# Altium PCB PCB1.PcbDoc
Units mm, origin at the board's own origin, x right, y up, seen from the top; angles counter-clockwise.
Board outline 81.23 x 84.84 mm, 2 copper layers (Top Layer, Bottom Layer); 14 components, 34 nets, 98 pads, 4 vias.
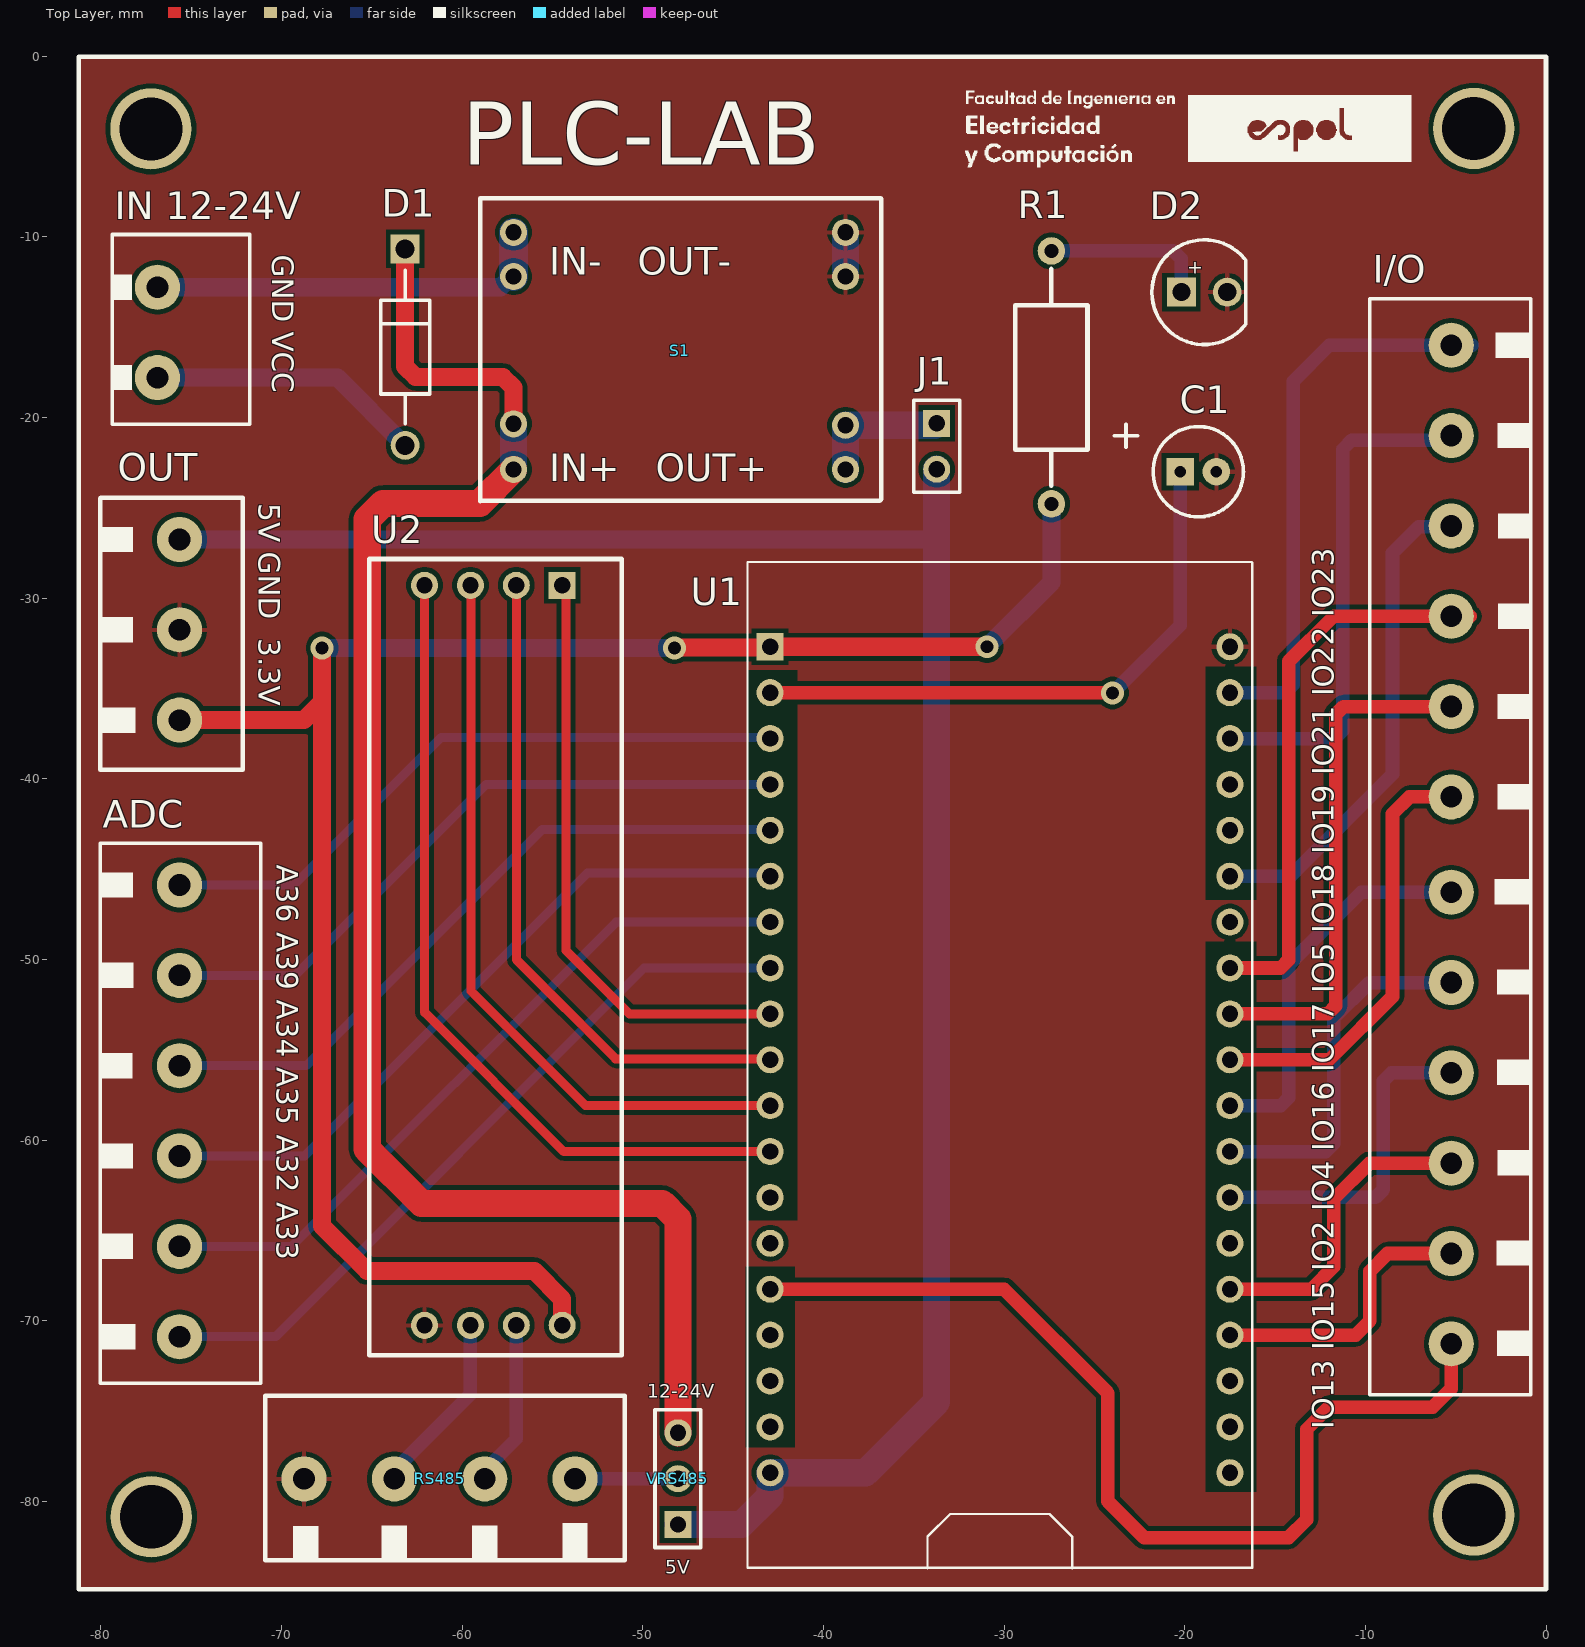
[diagram p0: Top Layer view]
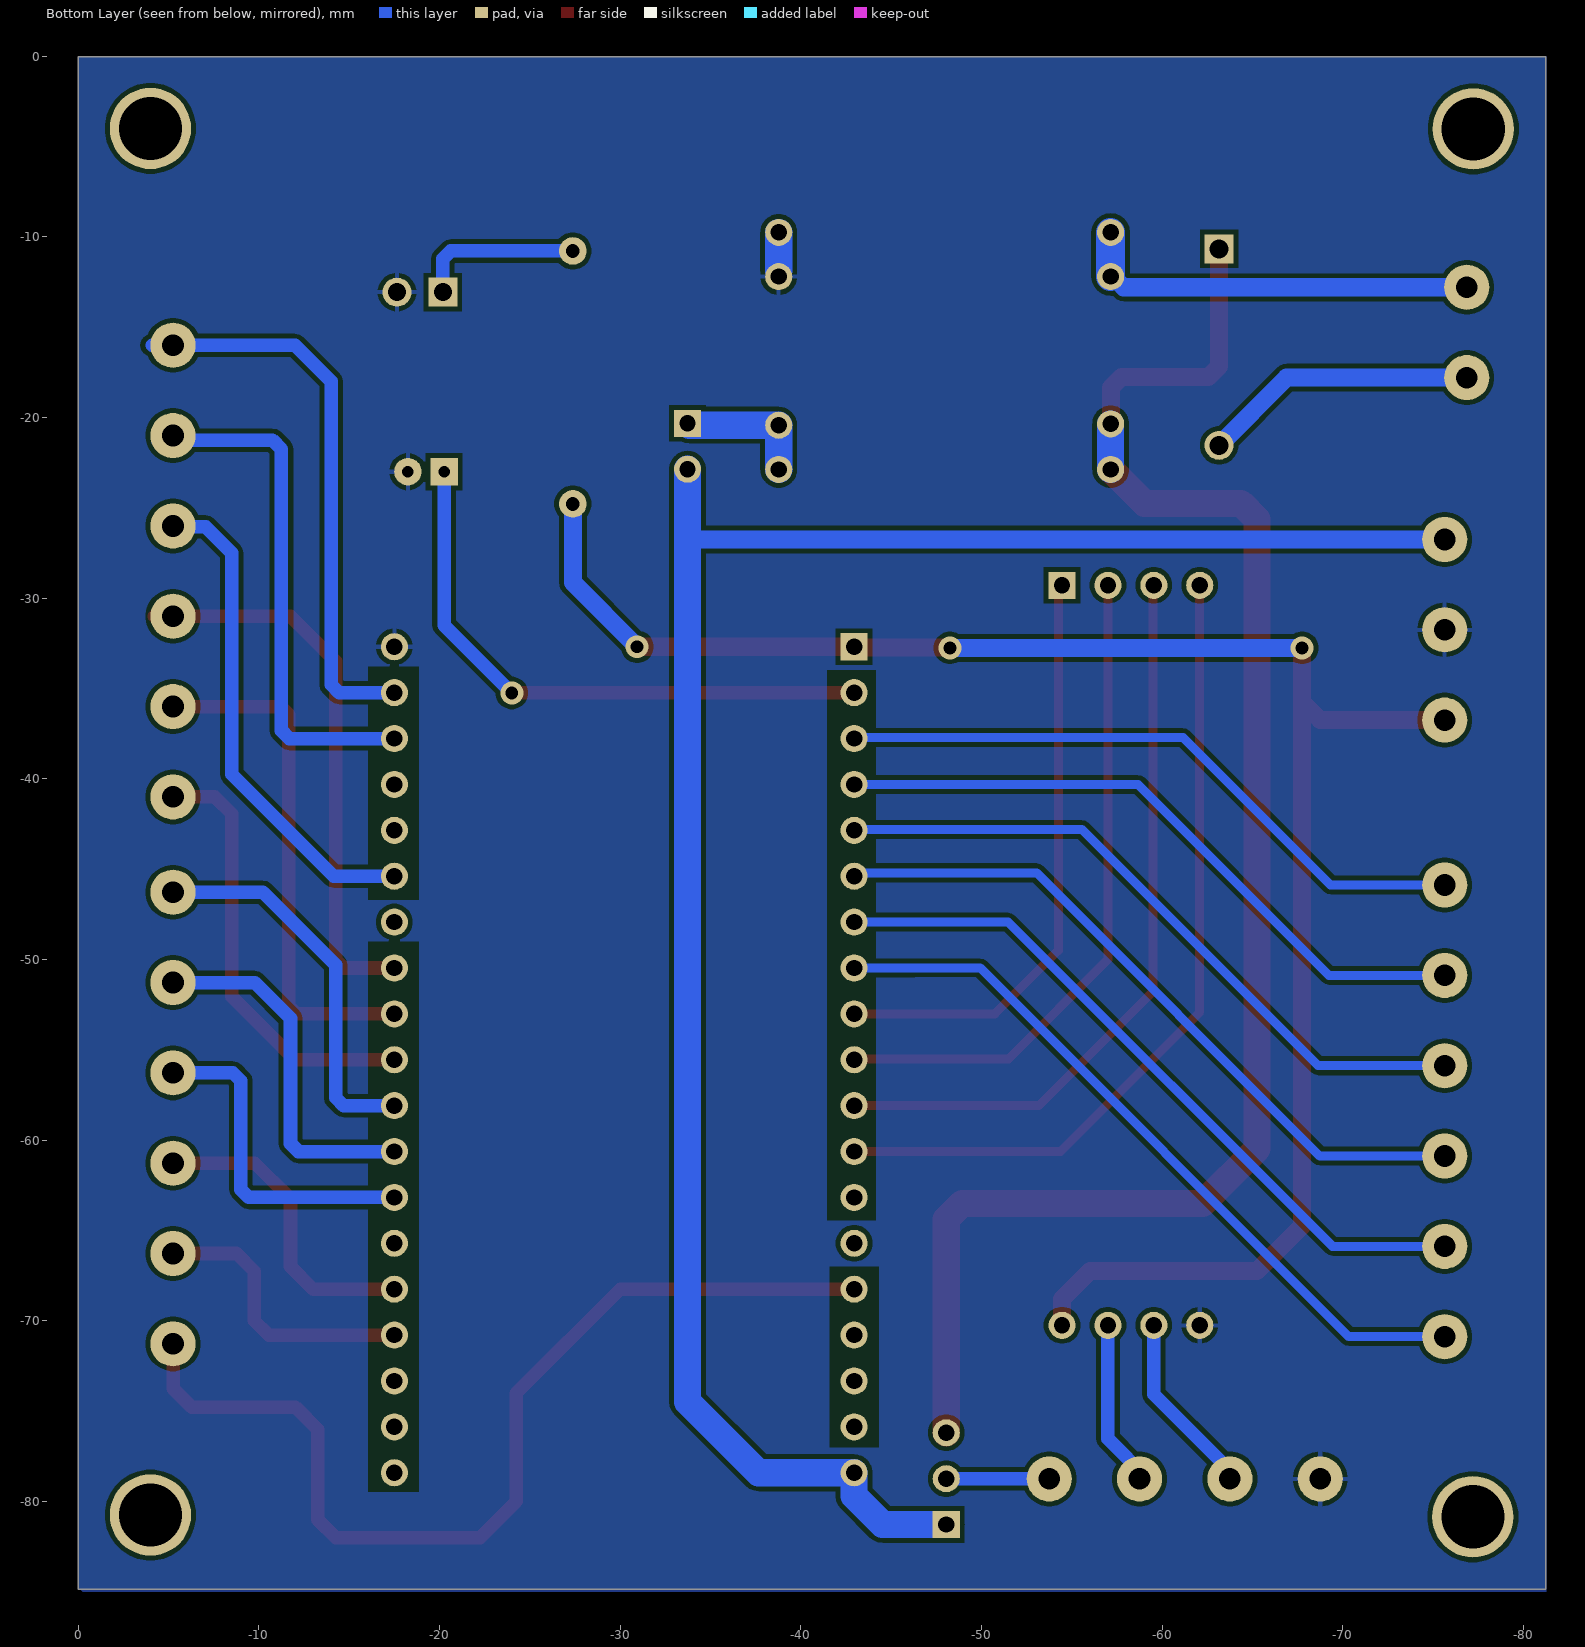
[diagram p1: Bottom Layer view, seen from below]
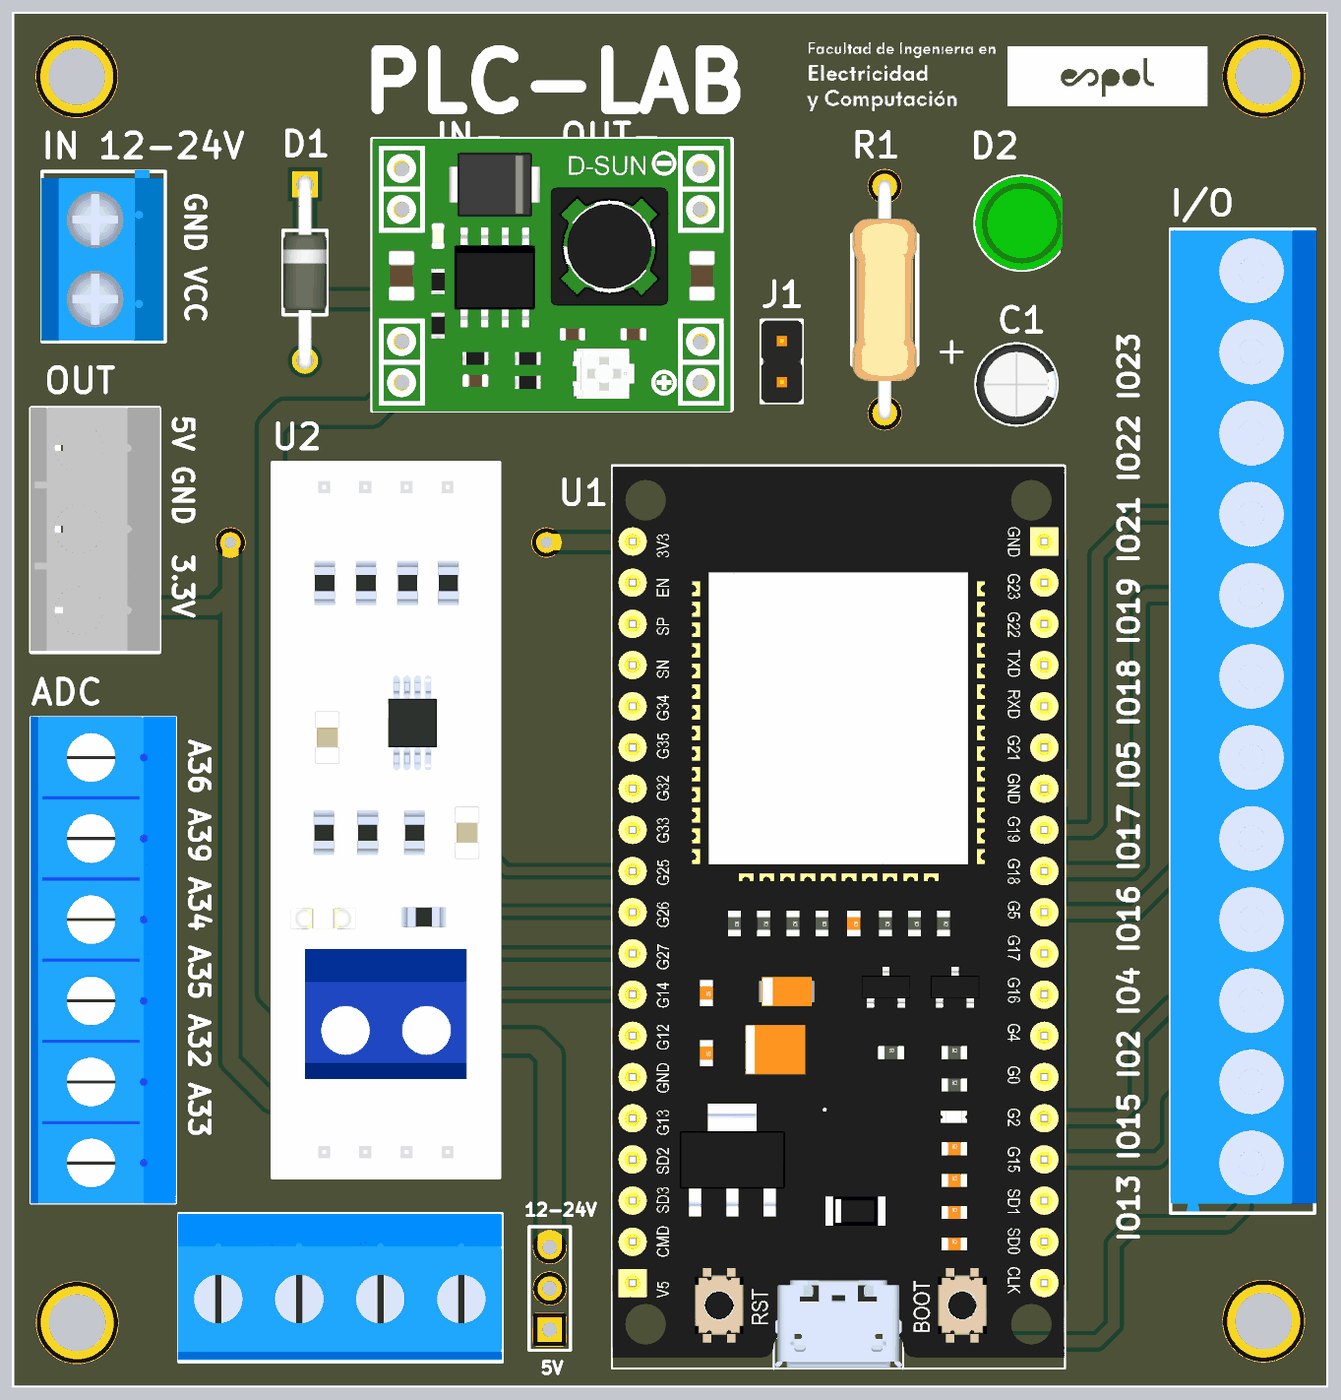
[diagram p2: 3D render of the assembled board from above, using the file's embedded part models]

## Layer stack, top to bottom
Top Solder: solder mask 0.0102, Solder Resist, Dk 3.5
Top Layer: signal copper 0.0356
Dielectric 1: dielectric 0.32, FR-4, Dk 4.8
Bottom Layer: signal copper 0.0356
Bottom Solder: solder mask 0.0102, Solder Resist, Dk 3.5

## Board outline
-81.225,-84.861 -81.225,-0.025 0,-0.025 0,-84.861

## Design rules (kind name [scope] priority, off if disabled: settings)
Clearance [All] p1: gap=0.254 ignorepadtopadclearanceinfootprint=FALSE except(0: Arc-Hole Track-Hole SMDPad-Hole THPad-Hole Via-Hole Fill-Hole Poly-Hole Region-Hole Text-Hole)
PolygonConnect [All] p1: connectstyle=Relief reliefconductorwidth=0.254 reliefentries=4 polygonreliefangle="90 Angle" airgapwidth=0.254
RoutingVias [All] p1: holewidth=0.711 width=1.27 viastyle="Through Hole" minholewidth=0.711 minwidth=1.27 maxholewidth=0.711 maxwidth=1.27
SolderMaskExpansion [All] p1: expansion=0.3 istentingtop=FALSE
Width [All] p1: maxlimit=2 minlimit=0.254 preferedwidth=0.5 minimp=50.000000 maximp=50.000000 favimp=50.000000
30 further rules are at their usual default settings.

## Classes and differential pairs
net class N000-1_[32..39]: A32 A33 A34 A35 A36 A39 N000-1_37 N000-1_38
component class source: D1 D2 "IN 12-24V" J1 OUT R1 S1
net class N000-2_[0..24]: IO2 IO4 IO5 IO13 IO15 IO16 IO17 IO18 IO19 IO21 IO22 IO23 N000-1_0 N000-1_1 N000-1_3 N000-1_6 N000-1_7 N000-1_8 N000-1_9 N000-1_10 N000-1_11 N000-1_12 N000-1_14 N000-1_20
component class borneras: ADC I/O
component class esquematico: C1 U1 U2 U# VRS485

## Components (designator, comment, footprint, x,y, rotation, side; value= is the part's Value field where it differs from the comment)
ADC "BORNERA_6" BORNERA_6 -74.715,-70.855 r90 top
C1 "10uF" FP-CAPACITOR -19.25,-23 r0 top
D1 "1N4007-E3/54" FP-1N4007-MFG -63.15,-16.1 r270 top value=15pF
D2 "LED" FP-LED -20.25,-14 r0 top
I/O "BORNERA_12" BORNERA_12 -11.25,-31.55 r270 top
"IN 12-24V" "BORNERA_2" BORNERA_2 -75.64,-15.24 r90 top
J1 "CONECTOR_2" PCBComponent_1 -33.73,-21.59 r270 top
OUT "BORNERA_3" BORNERA_3 -65.84,-20.775 r90 top
R1 "500Ω" FP-RESISTENCIA -27.38,-17.78 r90 top
RS485 "BORNERA_4" BORNERA_4 -69.725,-68.95 r180 top
S1 "D-SUN 3A STEP DOWN SWITCHING VOLTAGE" STEP_SOURCE -57.15,-12.2 r0 top
U1 "ESP32-38 pines" ESP32 -42.95,-32.69 r0 top
U2 "TTL-RS485" TTL_RS485 -54.46,-29.289 r270 top
VRS485 "Header 3" HDR1X3 -48.05,-81.28 r90 top

## Footprints (in the part's own frame and the unit in brackets; to place one, negate y for a bottom-side part, rotate by r counter-clockwise, add the part's x,y. Pads: shape width x height; smd on the part's side, far side on the other; paste and mask are expansions set on the pad)
BORNERA_2 [mm]
  round 2.5 hole 1.2: 1(-2.55,1.225) 2(2.45,1.225)
  silkscreen extent -5.13,-3.87 5.37,3.73, body extent -5.05,-3.79 5.45,3.81, height 10
BORNERA_3 [mm]
  round 2.5 hole 1.2: 1(-15.975,9.8) 2(-10.975,9.8) 3(-5.975,9.8)
  silkscreen extent -18.72,6.3 -3.67,14.23, body extent -18.65,6.25 -3.65,14.25, height 10
BORNERA_4 [mm]
  round 2.5 hole 1.2: 1(-15.975,9.8) 2(-10.975,9.8) 3(-5.975,9.8) 4(-0.975,9.8)
  silkscreen extent -18.72,5.2 1.17,14.3, body extent -18.72,5.2 1.28,14.2, height 12
BORNERA_6 [mm]
  round 2.5 hole 1.2: 1(-0.025,0.925) 2(4.975,0.925) 3(9.975,0.925) 4(14.975,0.925) 5(19.975,0.925) 6(24.975,0.925)
  silkscreen extent -2.6,-3.57 27.3,5.35, body extent -2.65,-3.63 27.35,5.38, height 12
BORNERA_12 [mm]
  round 2.5 hole 1.2: 1(-15.55,6) 2(-10.55,6) 3(-5.55,6) 4(-0.55,6) 5(4.45,6) 6(9.45,6) 7(14.725,6) 8(19.725,6) 9(24.725,6) 10(29.725,6) 11(34.725,6) 12(39.725,6)
  silkscreen extent -18.13,1.5 42.55,10.43, body extent -18.05,1.5 42.45,10.5, height 12
ESP32 [mm]
  rect 1.5x1.5 hole 0.9: 1(0,0)
  round 1.5 hole 0.9: 2(0,-2.54) 3(0,-5.08) 4(0,-7.62) 5(0,-10.16) 6(0,-12.7) 7(0,-15.24) 8(0,-17.78) 9(0,-20.32) 10(0,-22.86) 11(0,-25.4) 12(0,-27.94) 13(0,-30.48) 14(0,-33.02) 15(0,-35.56) 16(0,-38.1) 17(0,-40.64) 18(0,-43.18) 19(0,-45.72) 20(25.45,-45.72) 21(25.45,-43.18) 22(25.45,-40.64) 23(25.45,-38.1) 24(25.45,-35.56) 25(25.45,-33.02) 26(25.45,-30.48) 27(25.45,-27.94) 28(25.45,-25.4) 29(25.45,-22.86) 30(25.45,-20.32) 31(25.45,-17.78) 32(25.45,-15.24) 33(25.45,-12.7) 34(25.45,-10.16) 35(25.45,-7.62) 36(25.45,-5.08) 37(25.45,-2.54) 38(25.45,0)
  silkscreen extent -1.25,-51.01 26.69,4.69, body extent -1.25,-50.98 26.69,4.6, height 8.6
FP-1N4007-MFG [mm]
  rect 1.6x1.6 hole 1.05 paste-1000 mask+0: 1(-5.438,0)
  round 1.6 hole 1.05 paste-1000 mask+0: 2(5.438,0)
  silkscreen extent -4.24,-1.35 4.24,1.35, body extent -6.34,-1.45 6.34,1.45, height 0.25
FP-CAPACITOR [mil]
  rect 60x60 hole 25: 1(-39.37,0)
  round 60 hole 25: 2(39.37,0)
  silkscreen extent -182,-98 98,104, body extent -98,-98 98,98, height 276
FP-LED [mm]
  rect 1.6x1.6 hole 1: 1(0.064,0.937)
  round 1.6 hole 1: 2(2.604,0.937)
  silkscreen extent -1.57,-1.96 3.62,3.84, body extent -1.57,-1.96 3.83,3.84, height 8.72
FP-RESISTENCIA [mil]
  round 60 hole 30: 1(-275.59,0) 2(275.59,0)
  silkscreen extent -236,-79 236,79, body extent -291,-79 291,79, height 183
HDR1X3 [mm] "Connector; Header; 3 Position"
  rect 1.5x1.5 hole 0.9: 1(0,0)
  round 1.5 hole 0.9: 2(2.54,0) 3(5.08,0)
  silkscreen extent -1.27,-1.27 6.35,1.27
PCBComponent_1 [mm]
  rect 1.5x1.5 hole 0.9: 1(-1.27,0)
  round 1.5 hole 0.9: 2(1.27,0)
  silkscreen extent -2.54,-1.27 2.54,1.27, body extent -2.54,-1.27 2.54,1.27, height 8.89
STEP_SOURCE [mm]
  round 1.5 hole 0.9: 1(0,-10.675) 1(0,-8.15) 2(0,0) 2(0,2.45) 3(18.375,-10.675) 3(18.375,-8.225) 4(18.375,0) 4(18.375,2.45)
  Bottom Layer lines w1.5: 0,-10.675 0,-8.15 ; 18.375,-10.675 18.375,-8.225 ; 18.375,0.35 18.375,2.45
  Bottom Layer lines w1.6: 0,0 0,2.45
  silkscreen extent -1.85,-12.42 20.35,4.33, body extent -1.84,-12.47 20.26,4.33, height 4.19
TTL_RS485 [mm]
  rect 1.5x1.5 hole 0.9: 1(0,0)
  round 1.5 hole 0.9: 2(0,-2.54) 3(0,-5.08) 4(0,-7.62) 5(40.961,0) 6(40.961,-2.54) 7(40.961,-5.08) 8(40.961,-7.62)
  silkscreen extent -1.46,-10.68 42.61,3.29, body extent -1.46,-10.69 42.54,3.31, height 13.79

## Part data
C1: library part "Electrolytic capacitor"
D1: library part CMP-02540-000046-1, "DIODE GEN PURP 1KV 1A DO204AL", Capacitance=15pF, Forward Current=1A, Manufacturer=Vishay, Max Junction Temp=+150°C, Max Repetitive Reverse Voltage=1000V, Max Surge Forward Current=30A, Package=1N4007, Peak Reverse Current=30uA, Temperature="-50°C to +150°C", Temperature Range Low=-50°C, Automotive=No, Category=Diode, ComponentLink2Description=Datasheet, ComponentLink2URL=http://www.vishay.com/docs/88503/1n4001.pdf, Device Class L1="Discrete Semiconductors", Device Class L2=Diodes, Device Class L3="Rectifier Diodes", Digikey Description="DIODE GEN PURP 1KV 1A DO204AL", Height=2.7mm, Ipc Land Pattern Name=DIOPA1088W105L520D270, Lead Free=Yes, Manufacturer Part Number=1N4007-E3/54, Mouser Description="Rectifiers Vr/1000V Io/1A", Octopart=https://octopart.com/1n4007-e3%2F54-vishay-39548207, RoHS=TRUE, Temperature Range High=+150°C
R1: library part Resistencia
VRS485: "Header, 3-Pin", LatestRevisionDate=17-Jul-2002, LatestRevisionNote="Re-released for DXP Platform.", Publisher="Altium Limited"

## Free pads (board coordinates)
  round 4.5 hole 3.5: ""(-77.225,-4.025) ""(-77.2,-80.85) ""(-4,-80.75) ""(-4,-4)

## Via types
v1: diameter 1.27, hole 0.711, Top Layer to Bottom Layer, 4 vias

## Nets (pads, with @x,y where several pads share a name; then routed paths per layer and width w, separated by ;. In a path a pad name is that pad's centre, name@x,y a point inside that pad or via, vN(x,y) a via of type N, cw(c..) or ccw(c..) an arc to the next point about the centre after c; other vN are vias at no path point)
+3.3V: OUT.1 R1.1 U1.1 U2.5 | length 103.3
  Top Layer w1: OUT.1 -68.75,-36.75 -67.75,-35.75 ; v1(-67.75,-32.75) -67.75,-35.75 ; U2.5 -54.46,-68.79 -56,-67.25 -65.25,-67.25 -67.75,-64.75 -67.75,-35.75 ; v1(-48.25,-32.75) -48.22,-32.72 -43.2,-32.72 -43.17,-32.69 v1(-30.94,-32.69)
  Bottom Layer w1: OUT.1 OUT.1@-75.39,-37 ; v1(-67.75,-32.75) v1(-48.25,-32.75) ; v1(-30.94,-32.69) -27.38,-29.13 R1.1
A: RS485.3 U2.7 | length 10.4
  Bottom Layer w0.75: RS485.3@-64.21,-78.74 -59.54,-74.07 U2.7
A32: ADC.2 U1.7 | length 40.1
  Bottom Layer w0.5: ADC.2 -69.43,-65.88 -51.48,-47.93 U1.7
A33: ADC.1 U1.8 | length 41.1
  Bottom Layer w0.5: ADC.1 -70.33,-70.88 -49.92,-50.47 -46.3,-50.47 U1.8
A34: ADC.4 U1.5 | length 38.1
  Bottom Layer w0.5: ADC.4 -68.63,-55.88 -55.55,-42.8 -43,-42.8 U1.5
A35: ADC.3 U1.6 | length 39.3
  Bottom Layer w0.5: ADC.3 -68.73,-60.88 -53.05,-45.2 -43.14,-45.2 U1.6
A36: ADC.6 U1.3 | length 36.1
  Bottom Layer w0.5: ADC.6 -69.33,-45.88 -61.15,-37.7 -43.02,-37.7 U1.3
A39: ADC.5 U1.4 | length 37.1
  Bottom Layer w0.5: ADC.5 -69.23,-50.88 -58.66,-40.31 U1.4
B: RS485.2 U2.6 | length 9.4
  Bottom Layer w0.75: RS485.2@-59.21,-78.74 -57,-76.53 U2.6
DE: U1.11 U2.3 | length 41.7
  Top Layer w0.5: U2.3@-59.5,-29.231 -59.5,-51.75 -53.16,-58.09 U1.11
DI: U1.12 U2.4 | length 46
  Top Layer w0.5: U2.4 -62.08,-52.92 -54.37,-60.63 U1.12
EN: C1.1 U1.2 | length 32.8
  Top Layer w0.75: U1.2 -42.94,-35.24 -24.01,-35.24 v1(-24,-35.25)
  Bottom Layer w0.75: v1(-24,-35.25) -20.25,-31.5 C1.1
GND: C1.2 D2.2 OUT.2 RS485.4 S1.4 U1.38 U2.8
IO2: I/O.10 U1.24 | length 17.6
  Top Layer w0.75: U1.24 -13,-68.25 -11.75,-67 -11.75,-63.25 -9.775,-61.275 I/O.10
  Bottom Layer w0.75: I/O.10@-5.25,-61.5 I/O.10
IO4: I/O.9 U1.26 | length 18.8
  Bottom Layer w0.75: U1.26 -9.439,-63.17 -9,-62.731 -9,-56.714 -8.561,-56.275 I/O.9@-5.043,-56.275
IO5: I/O.6 U1.29 | length 24.4
  Top Layer w0.75: U1.29 -12,-55.55 -8.5,-52.05 -8.5,-41.939 -7.561,-41 I/O.6 ; I/O.6@-4.94,-41.335 I/O.6@-4.775,-41.5
IO13: I/O.12 U1.15 | length 55.7
  Top Layer w0.75: U1.15 -30,-68.25 -24.25,-74 -24.25,-80 -22.25,-82 -14.25,-82 -13.25,-81 -13.25,-76 -12.025,-74.775 -6.275,-74.775 -5.25,-73.75 I/O.12
IO15: I/O.11 U1.23 | length 15.7
  Top Layer w0.75: U1.23 -10.54,-70.79 -9.75,-70 -9.75,-67.25 -8.775,-66.275 I/O.11
IO16: I/O.8 U1.27 | length 20.9
  Bottom Layer w0.75: U1.27 -12.189,-60.63 -11.75,-60.191 -11.75,-53.25 -9.775,-51.275 I/O.8@-4.506,-51.275
IO17: I/O.7 U1.28 | length 21.4
  Bottom Layer w0.75: U1.28 -14.689,-58.09 -14.25,-57.651 -14.25,-50.3 -10.225,-46.275 I/O.7
IO18: I/O.5 U1.30 | length 28.7
  Top Layer w0.75: U1.30 -12.089,-53.01 -11.65,-52.571 -11.65,-36.439 -11.211,-36 I/O.5
IO19: I/O.4 U1.31 | length 31
  Top Layer w0.75: U1.31 -14.689,-50.47 -14.25,-50.031 -14.25,-33.5 -11.75,-31 I/O.4 I/O.4@-4.207,-31
IO21: I/O.3 U1.33 | length 27.5
  Bottom Layer w0.75: U1.33 -14.14,-45.39 -8.5,-39.75 -8.5,-27.5 -7.054,-26.054 -5.304,-26.054 I/O.3
IO22: I/O.2 U1.36 | length 29.1
  Bottom Layer w0.75: U1.36 -11.689,-37.77 -11.25,-37.331 -11.25,-21.75 -10.75,-21.25 I/O.2@-4.404,-21.25
IO23: I/O.1 U1.37 | length 31.2
  Bottom Layer w0.75: U1.37 -14.439,-35.23 -14,-34.791 -14,-18 -12,-16 I/O.1 I/O.1@-4.088,-16
NetD1_1: D1.1 S1.1 VRS485.3 | length 89.7
  Top Layer w1: D1.1 -63.15,-17.164 -62.564,-17.75 -57.75,-17.75 -57.164,-18.336 -57.164,-20.336 S1.1@-57.15,-20.35
  Top Layer w1.5: S1.1@-57.15,-22.875 -59.025,-24.75 -64.371,-24.75 -65.25,-25.629 -65.25,-60.5 -62.25,-63.5 -48.929,-63.5 -48.05,-64.379 VRS485.3
NetD1_2: "IN 12-24V.1" D1.2 | length 15.3
  Bottom Layer w1: -76.865,-17.79 -66.898,-17.79 D1.2
NetD2_1: D2.1 R1.2 | length 9.2
  Bottom Layer w0.75: R1.2 -20.625,-10.78 -20.186,-11.219 D2.1
"NetIN 12-24V_2": "IN 12-24V.2" S1.2 | length 20
  Bottom Layer w1: -76.865,-12.79 -57.875,-12.79 -57.285,-12.2 S1.2@-57.15,-12.2
NetJ1_1: J1.1 S1.3 | length 5.1
  Bottom Layer w1.5: S1.3@-38.775,-20.425 -33.835,-20.425 J1.1
RE: U1.10 U2.2 | length 37.2
  Top Layer w0.5: U2.2@-57,-29.122 -57,-50 -51.5,-55.5 -43,-55.5 U1.10
RO: U1.9 U2.1 | length 33.1
  Top Layer w0.5: U2.1@-54.25,-29.202 -54.25,-49.5 -50.74,-53.01 U1.9
VCC: J1.2 OUT.3 U1.19 VRS485.1 | length 111.5
  Bottom Layer w1: OUT.3 -33.98,-26.75 -33.73,-26.5
  Bottom Layer w1.5: VRS485.1 -44.53,-81.28 -42.95,-79.7 U1.19 -37.66,-78.41 -33.73,-74.48 -33.73,-26.5 J1.2
VCC_RS485: RS485.1 VRS485.2 | length 6.2
  Bottom Layer w0.75: RS485.1@-54.21,-78.74 VRS485.2
pads on no net: U1.13 U1.14 U1.16 U1.17 U1.18 U1.20 U1.21 U1.22 U1.25 U1.32 U1.34 U1.35

## Polygon pours and split planes (outlines as drawn)
GND on Top Layer "NONET_L01_P-001" (solid, pour order 0): -81.25,0 0,0 0,-84.75 -81.25,-84.75
GND on Bottom Layer "NONET_L01_P-001" (solid, pour order 1): -81.25,0 0,0 0,-84.75 -0.25,-85 -81.25,-85

## Other copper
Top Layer:
  pour cut-out: -18.842,-49.018 -18.842,-79.468 -16.042,-79.468 -16.042,-49.018
  pour cut-out: -18.849,-33.793 -18.849,-46.693 -16.049,-46.693 -16.049,-33.793
  pour cut-out: -44.3,-67 -41.6,-67 -41.6,-77 -44.3,-77
  pour cut-out: -44.15,-34 -41.45,-34 -41.45,-64.425 -44.15,-64.425
Bottom Layer:
  pour cut-out: -44.15,-34 -41.45,-34 -41.45,-64.425 -44.15,-64.425
  pour cut-out: -44.3,-67 -41.6,-67 -41.6,-77 -44.3,-77
  pour cut-out: -18.849,-33.793 -18.849,-46.693 -16.049,-46.693 -16.049,-33.793
  pour cut-out: -18.842,-49.018 -18.842,-79.468 -16.042,-79.468 -16.042,-49.018

## Silkscreen, mask and mechanical layers (free items; w line width, h text height)
Top Overlay:
  drawing of 55 lines, arcs and shapes, not listed
  text "PLC-LAB" at -60,-6 h3.5
  text "GND VCC" at -70.5,-11 h1.2 r270
  text "5V GND  3.3V" at -71.25,-24.75 h1.2 r270
  text "A36 A39 A34 A35 A32 A33" at -70.25,-44.75 h1.2 r270
  text "12-24V" at -49.75,-74.25 h0.75
  text "IO13 IO15 IO2 IO4 IO16 IO17 IO5 IO18 IO19 IO21 IO22 IO23" at -11.75,-76 h1.2 r90
  text "5V" at -48.75,-84 h0.75

## Text inside footprints (layer, text, board x,y; h text height)
D2: Top Overlay "+" at -19.868,-12.044 h0.76; Mechanical 15 "+" at -19.868,-12.044 h0.76
S1: Top Overlay "IN-   OUT- /  /  /  /  / IN+   OUT+" at -55.175,-23.525 h1.52